# Altium PCB Graviton-EC2.PcbDoc (part 11 of 12)
Units mil, origin at the board's own origin, x right, y up, seen from the top; angles counter-clockwise.
Board outline 7874.02 x 7874.02 mil, 10 copper layers (Top Layer, Internal Plane 1, Signal Layer 1, Internal Plane 2, Signal Layer 2, Signal Layer 3, Internal Plane 3, Signal Layer 4, Internal Plane 4, Bottom Layer), stack 65.914 mil thick; 1307 components, 1540 nets, 8037 pads, 1837 vias.
Unrouted connection lines stored in the file: 117.
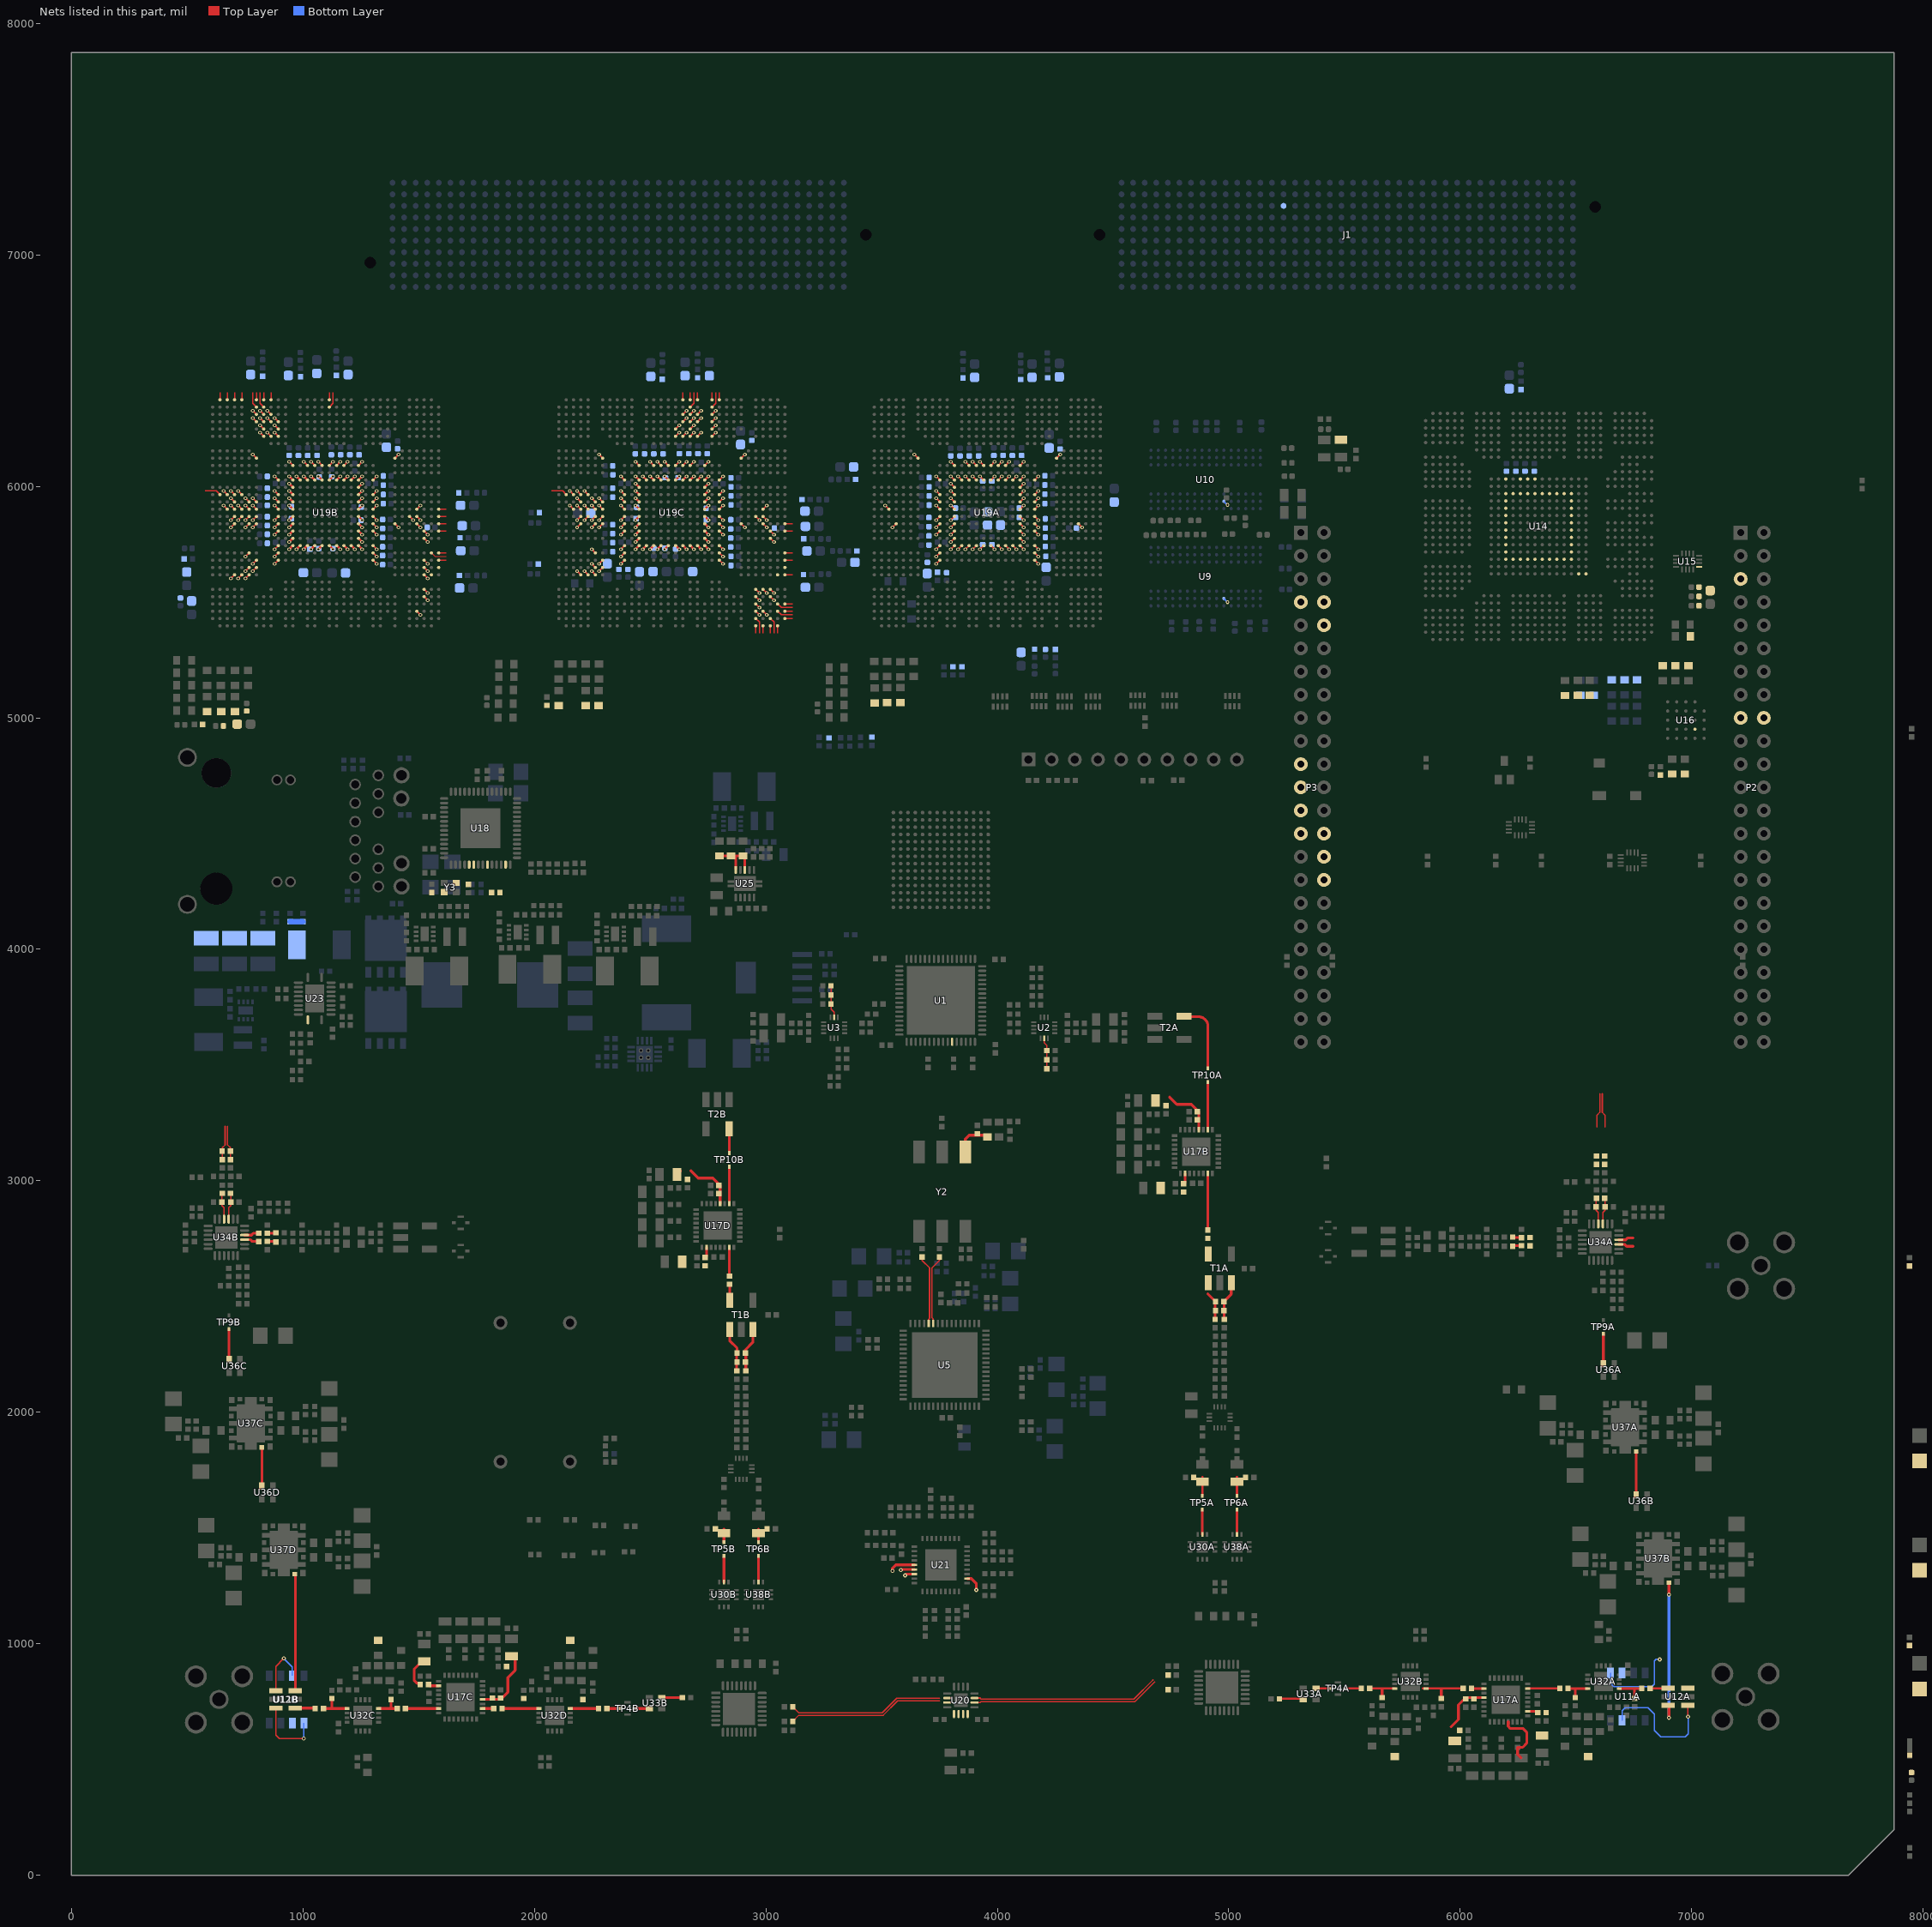
[diagram p19: the nets of this part, all layers, seen from the top]

## Via types
v1: diameter 16, hole 8, Top Layer to Bottom Layer, 1443 vias
v2: diameter 16, hole 8, Top Layer to Bottom Layer, tented top, 173 vias
v3: diameter 18, hole 8, Top Layer to Bottom Layer, 132 vias
v4: diameter 25.98, hole 8, Top Layer to Bottom Layer, tented top, 36 vias
v5: diameter 25.98, hole 12, Top Layer to Bottom Layer, tented top, 36 vias
v6: diameter 23.62, hole 11.81, Top Layer to Bottom Layer, 10 vias
v7: diameter 18, hole 8, Top Layer to Bottom Layer, tented bottom, 5 vias
v8: diameter 16, hole 8, Top Layer to Bottom Layer, tented both sides, 2 vias

## Nets (pads, with @x,y where several pads share a name; then routed paths per layer and width w, separated by ;. In a path a pad name is that pad's centre, name@x,y a point inside that pad or via, vN(x,y) a via of type N, cw(c..) or ccw(c..) an arc to the next point about the centre after c; other vN are vias at no path point) (continued)
RAMCLKB_P: U19B.AD32
RAMCLKC_N: U19C.AE32 | length 32.1
  Top Layer w4.72: U19C.AE32@3082.68,5618.11 3114.76,5618.11
RAMCLKC_P: U19C.AD32
RC-AA: C170A.1 L46A.2 U32A.1 | length 143.7
  Top Layer w11.81: U32A.1@6687.01,807.09 C170A.1@6788.78,807.09 ; L46A.2@6752.95,763.98 6752.95,805.91
RC-AB: C170B.1 L46C.2 U32C.1 | length 140.6
  Top Layer w10: 5852.36,807.09 5852.56,807.28
  Top Layer w11.81: C170B.1@1092.72,720.47 U32C.1@1190.94,720.47 ; 1125,721.46 L46C.2@1125,763.58
RC-BA: C394A.2 L47A.2 U32A.12 | length 125
  Top Layer w11.81: C394A.2@6465.75,807.09 6496.06,807.09 ; L47A.2@6497.05,767.91 6497.05,806.1 6496.06,807.09 ; U32A.12@6551.18,807.09 6496.06,807.09
RC-BB: C394B.2 L47C.2 U32C.12 | length 117.7
  Top Layer w11.81: U32C.12@1326.77,720.47 C394B.2@1407.28,720.47 ; 1380.91,722.44 L47C.2@1380.91,759.65
RC-CA: C394A.1 U17A.7 | length 138.6
  Top Layer w10: U17A.7@6291.34,807.09 C394A.1@6429.92,807.09
RC-CB: C394B.1 U17C.7 | length 143.5
  Top Layer w11.81: C394B.1@1443.11,720.47 U17C.7@1586.61,720.47
RC-DA: C395A.2 U17A.18 | length 307.3
  Top Layer w11.81: C395A.2@6053.35,807.09 U17A.18@6102.36,807.09 ; 6206.69,663.39 6206.69,643.85 6216.69,633.86 6271.65,633.86 6287.4,618.11 6287.4,570.87 6269.49,552.95 6248.03,552.95 6248.03,521.85 6263.78,506.1
RC-DB: C395B.2 U17C.18 | length 49
  Top Layer w11.81: U17C.18@1775.59,720.47 C395B.2@1824.61,720.47
RC-EA: C395A.1 L46B.2 U32B.1 | length 216.1
  Top Layer w10: 5838.58,807.09 C395A.1@6012.6,807.09
  Top Layer w11.81: L46B.2@5918.31,763.98 5918.31,806.1
RC-EB: C395B.1 L46D.2 U32D.1 | length 162
  Top Layer w11.81: C395B.1@1862.4,722.44 C395B.1@1860.43,720.47 U32D.1@2019.69,720.47
RC-FA: C396A.2 L47B.2 U32B.12 | length 147
  Top Layer w10: C396A.2@5609.45,807.09 U32B.12@5716.54,807.09 U32B.12@5718.31,807.09
  Top Layer w11.81: L47B.2@5662.4,767.91 5662.4,806.1
RC-FB: C396B.2 L47D.2 U32D.12 | length 121.9
  Top Layer w11.81: U32D.12@2155.51,720.47 C396B.2@2277.36,720.47
RC-GA: C396A.1 TP4A.C | length 57.9
  Top Layer w10: 5514.76,807.09 C396A.1@5572.64,807.09
RC-GB: C396B.1 TP4B.C | length 58.9
  Top Layer w11.81: C396B.1@2313.19,720.47 TP4B.C@2372.05,720.47
RC-HA: TP4A.A U33A.3 | length 65
  Top Layer w10: U33A.3@5376.97,807.09 TP4A.A@5441.93,807.09
RC-HB: TP4B.A U33B.3 | length 61
  Top Layer w11.81: TP4B.A@2431.1,720.47 U33B.3@2492.13,720.47
RC-JA: C430A.1 U33A.1 | length 112.4
  Top Layer w10: C430A.1@5219.29,762.8 U33A.1@5331.69,762.8
RC-JB: C430B.1 U33B.1 | length 86.6
  Top Layer w11.81: U33B.1@2551.18,767.72 C430B.1@2637.8,767.72
RC-KA_N: TP6A.C U38A.2 | length 107.9
  Top Layer w11.81: U38A.2@5035.43,1472.44 TP6A.C@5035.43,1580.32
RC-KA_P: TP5A.C U30A.2 | length 107.9
  Top Layer w11.81: U30A.2@4885.83,1472.44 TP5A.C@4885.83,1580.32
RC-KB_N: TP6B.C U38B.2 | length 107.9
  Top Layer w11.81: U38B.2@2968.5,1266.14 TP6B.C@2968.5,1374.02
RC-KB_P: TP5B.C U30B.2 | length 107.9
  Top Layer w11.81: U30B.2@2818.9,1266.14 TP5B.C@2818.9,1374.02
RC-LA_N: C154A.2 R174A.1 TP6A.A | length 79.5
  Top Layer w10: TP6A.A@5035.43,1641.54 5035.43,1721.06
RC-LA_P: C84A.2 R175A.1 TP5A.A | length 79.5
  Top Layer w10: TP5A.A@4885.83,1641.54 4885.83,1721.06
RC-LB_N: C154B.2 R174B.1 TP6B.A | length 57.1
  Top Layer w11.81: TP6B.A@2968.5,1438.98 C154B.2@2968.5,1496.06
RC-LB_P: C84B.2 R175B.1 TP5B.A | length 57.1
  Top Layer w11.81: TP5B.A@2818.9,1438.98 C84B.2@2818.9,1496.06
RC-MA_P: C431A.2 L54A.1 R146A.2 T1A.3 | length 126.2
  Top Layer w11.81: 4909.45,2511.42 R146A.2@4942.72,2478.15 R146A.2@4942.72,2482.48 ; L54A.1@4940.94,2401.57 R146A.2@4940.94,2476.38
RC-MB_P: C431B.2 L54B.1 R146B.2 T1B.3 | length 190.8
  Top Layer w11.81: T1B.3@2843.7,2358.66 2843.7,2309.84 2875.79,2277.76 R146B.2@2875.79,2255.91 ; L54B.1@2874.02,2179.33 R146B.2@2874.02,2254.13
RC-NA: C397A.2 T1A.4
RC-NA_P: C431A.1 L56A.1 R146A.1 T1A.1 | length 169.4
  Top Layer w11.81: R146A.1@4978.54,2478.15 5010.63,2510.24 T1A.1@5010.63,2559.45 ; L56A.1@4980.32,2401.57 R146A.1@4980.32,2476.38
RC-NB: C397B.2 T1B.4 | length 67.9
  Top Layer w11.81: T1B.4@2843.7,2483.86 C397B.2@2843.7,2551.77
RC-NB_P: C431B.1 L56B.1 R146B.1 T1B.1 | length 190.8
  Top Layer w11.81: R146B.1@2911.61,2255.91 2911.61,2269.88 2943.7,2301.97 T1B.1@2943.7,2358.66 ; L56B.1@2913.39,2179.33 R146B.1@2913.39,2254.13
RC-PA: C397A.1 U17B.7 | length 241.9
  Top Layer w11.81: C397A.1@4909.45,2789.57 U17B.7@4909.45,3031.5
RC-PB: C397B.1 U17D.7 | length 124
  Top Layer w10: U17D.7@2842.13,2712.6 2842.52,2712.2 C397B.1@2842.52,2588.78
RC-QA: TP10A.C U17B.18 | length 208.5
  Top Layer w11.81: U17B.18@4909.45,3220.47 TP10A.C@4909.45,3428.94
RC-QB: TP10B.C U17D.18 | length 159.6
  Top Layer w10: U17D.18@2842.13,2901.57 2842.52,2901.97 TP10B.C@2842.52,3061.02
RC-RA: T2A.4 TP10A.A | length 309.9
  Top Layer w11.81: T2A.4@4806.69,3711.42 ccw(c4809.45,3711.42) 4809.45,3708.66 4870.08,3708.66 cw(c4870.08,3669.29) 4909.45,3669.29 TP10A.A@4909.45,3486.22
RC-RB: T2B.4 TP10B.A | length 103.5
  Top Layer w11.81: TP10B.A@2842.52,3120.08 T2B.4@2842.52,3223.62
REGCAP1: C210.1 U18.37
REGCAP2: C210.2 U18.41
RFRX-INA: C170A.2 U12A.1 | length 76.6
  Top Layer w10: C170A.2@6820.08,807.09 U12A.1@6896.65,807.09
RFRX-INB: C170B.2 U12B.1 | length 87.4
  Top Layer w11.81: U12B.1@963.58,722.44 C170B.2@1050.98,722.44
RFTXOUTA: U12A.3 U37B.16 | length 641.2
  Top Layer w11.81: U12A.3@6898.62,734.25 6901.57,731.3 v3(6901.57,681.1) ; v3(6901.57,1212.6) U37B.16@6901.57,1263.78 U37B.16@6904.53,1260.83
  Bottom Layer w11.81: v3(6901.57,681.1) v3(6901.57,1212.6)
RFTXOUTB: U12B.3 U37D.16 | length 505.2
  Top Layer w11.81: U37D.16@964.57,1301.18 967.52,1298.23 U12B.3@967.52,797.24
RX2-BANK3-DDRCTRL.CASN: U19B.W30 | length 22.3
  Top Layer w5: U19B.W30@1523.62,5807.09 v1(1539.37,5791.34)
RX2-BANK3-DDRCTRL.CKE: U19B.U28 | length 22.3
  Top Layer w5: U19B.U28@1460.63,5870.08 v1(1476.38,5854.33)
RX2-BANK3-DDRCTRL.CLK_N: U19B.AC32 | length 32.1
  Top Layer w4.72: U19B.AC32@1586.61,5681.1 1618.7,5681.1
RX2-BANK3-DDRCTRL.CLK_P: U19B.AB32 | length 32.1
  Top Layer w4.72: U19B.AB32@1586.61,5712.6 1618.7,5712.6
RX2-BANK3-DDRCTRL.CSN: U19B.U29 | length 22.3
  Top Layer w5: U19B.U29@1492.13,5870.08 v1(1507.87,5854.33)
RX2-BANK3-DDRCTRL.ODT: U19B.V26 | length 22.3
  Top Layer w5: U19B.V26@1397.64,5838.58 v1(1413.39,5822.83)
RX2-BANK3-DDRCTRL.RASN: U19B.Y30 | length 22.3
  Top Layer w5: U19B.Y30@1523.62,5775.59 v1(1539.37,5759.84)
RX2-BANK3-DDRCTRL.RSTN: U19B.T29 | length 22.3
  Top Layer w5: U19B.T29@1492.13,5901.57 v1(1507.87,5917.32)
RX2-BANK3-DDRCTRL.WEN: U19B.AE31
RX2-BANK3-DQ32.DQ6_G3: U19B.AD30 | length 22.3
  Top Layer w5: U19B.AD30@1523.62,5649.61 v1(1539.37,5633.86)
RX2-BANK3-DQ32.DQ7_G3: U19B.AE30 | length 22.3
  Top Layer w5: U19B.AE30@1523.62,5618.11 v1(1539.37,5602.36)
RX2-BANK3-DQS32.DQM0: U19B.T32 | length 32.1
  Top Layer w4.72: U19B.T32@1586.61,5901.57 1618.7,5901.57
RX2-BANK3-DQS32.DQM1: U19B.U32 | length 32.1
  Top Layer w4.72: U19B.U32@1586.61,5870.08 1618.7,5870.08
RX2-BANK3-DQS32.DQM2: U19B.V32 | length 32.1
  Top Layer w4.72: U19B.V32@1586.61,5838.58 1618.7,5838.58
RX2-BANK3-DQS32.DQM3: U19B.W32 | length 32.1
  Top Layer w4.72: U19B.W32@1586.61,5807.09 1618.7,5807.09
RX2-BANK3-DQS32.DQS3_N: U19B.AB31 | length 70.1
  Top Layer w2.99: U19B.AB31@1555.12,5712.6 1570.87,5696.85 1618.7,5696.85
RX2-BANK3-DQS32.DQS3_P: U19B.AC30 | length 22.3
  Top Layer w2.99: U19B.AC30@1523.62,5681.1 v1(1539.37,5665.35)
RX2-BANK4-DB3.B0: U19B.AH30 | length 22.3
  Top Layer w5: U19B.AH30@1523.62,5523.62 v1(1539.37,5507.87)
RX2-BANK4-DB3.B1: U19B.AG30 | length 22.3
  Top Layer w5: U19B.AG30@1523.62,5555.12 v1(1539.37,5539.37)
RX2-BANK4-DB3.B2: U19B.AK29 | length 22.3
  Top Layer w5: U19B.AK29@1492.13,5460.63 v1(1507.87,5444.88)
RX2-DDRCC6.S0: U19B.P5 | length 22.3
  Top Layer w5: v1(720.47,5980.32) U19B.P5@736.22,5964.57
RX2-DDRCC6.S1: U19B.P4 | length 22.3
  Top Layer w5: v1(688.98,5980.32) U19B.P4@704.72,5964.57
RX2-DDRCC6.S2: U19B.R7 | length 22.3
  Top Layer w5: v1(783.46,5948.82) U19B.R7@799.21,5933.07
RX2-DDRCC6.S3: U19B.T7 | length 22.3
  Top Layer w5: v1(783.46,5917.32) U19B.T7@799.21,5901.57
RX2-DDRCC6.S4: U19B.R6 | length 22.3
  Top Layer w5: v1(751.97,5948.82) U19B.R6@767.72,5933.07
RX2-DDRCC6.S5: U19B.T6 | length 22.3
  Top Layer w5: v1(751.97,5917.32) U19B.T6@767.72,5901.57
RX2-DDRCC6.S6: U19B.U6 | length 22.3
  Top Layer w5: v1(751.97,5854.33) U19B.U6@767.72,5870.08
RX2-DDRCC6.S7: U19B.U7 | length 22.3
  Top Layer w5: v1(783.46,5854.33) U19B.U7@799.21,5870.08
RX2-DDRCC6.S8: U19B.R4 | length 22.3
  Top Layer w5: v1(688.98,5948.82) U19B.R4@704.72,5933.07
RX2-DDRCC6.S9: U19B.T5 | length 22.3
  Top Layer w5: v1(720.47,5917.32) U19B.T5@736.22,5901.57
RX2-DDRCC6.S10: U19B.T4 | length 22.3
  Top Layer w5: v1(688.98,5917.32) U19B.T4@704.72,5901.57
RX2-DDRCC6.S11: U19B.U5 | length 22.3
  Top Layer w5: v1(720.47,5854.33) U19B.U5@736.22,5870.08
RX2-DDRCC6.S12: U19B.U4 | length 22.3
  Top Layer w5: v1(688.98,5854.33) U19B.U4@704.72,5870.08
RX2-DDRCC6.S13: U19B.V6 | length 22.3
  Top Layer w5: v1(751.97,5822.83) U19B.V6@767.72,5838.58
RX2-DDRCC6.S14: U19B.V7 | length 22.3
  Top Layer w5: v1(783.46,5822.83) U19B.V7@799.21,5838.58
RX2-DDRCC6.S15: U19B.P2 | length 70.1
  Top Layer w4.72: 578.15,5980.32 625.98,5980.32 U19B.P2@641.73,5964.57
RX2-DDRCC6.S16: U19B.P3 | length 22.3
  Top Layer w5: v1(657.48,5980.32) U19B.P3@673.23,5964.57
RX2-DDRCC6.S40: U19B.AB6 | length 22.3
  Top Layer w5: v1(751.97,5696.85) U19B.AB6@767.72,5712.6
RX2-DDRCC6.S41: U19B.AC7 | length 22.3
  Top Layer w5: v1(783.46,5665.35) U19B.AC7@799.21,5681.1
RX2-DDRCC6.S42: U19B.AD7 | length 22.3
  Top Layer w5: v1(783.46,5633.86) U19B.AD7@799.21,5649.61
RX2-DDRCC6.S43: U19B.AD6 | length 22.3
  Top Layer w5: v1(751.97,5633.86) U19B.AD6@767.72,5649.61
RX2-DDRCC6.S44: U19B.AE6 | length 22.3
  Top Layer w5: v1(751.97,5602.36) U19B.AE6@767.72,5618.11
RX2-DDRCC6.S45: U19B.AE5 | length 22.3
  Top Layer w5: v1(720.47,5602.36) U19B.AE5@736.22,5618.11
RX2-DDRCC6.S46: U19B.AE4 | length 22.3
  Top Layer w5: v1(688.98,5602.36) U19B.AE4@704.72,5618.11
RX-SWA: R182A.1 U11A.1 U12A.6 | length 369.2
  Bottom Layer w4.72: U11A.1@6649.41,874.15 6649.41,830.91 6665.35,814.96 6826.77,814.96 6838.58,826.77 6838.58,925.2 6846.46,933.07 v3(6862.2,933.07)
RX-SWB: R182B.1 U11B.1 U12B.6 | length 310.9
  Top Layer w4.72: U12B.6@882.87,722.44 882.87,605.32 897.64,590.55 v3(1003.94,590.55)
  Bottom Layer w4.72: v3(1003.94,590.55) U11B.1@1003.94,657.15
RXLO0_N: C427A.1 R192.1 U20.9
RXLO0_P: C428A.2 R191.1 U20.10
RXLO1_N: C427B.1 R194.1 U20.6 | length 671.3
  Top Layer w5.98: C427B.1@3116.34,665.35 3142.34,691.36 3507.09,691.36 3569.67,753.94 3750.98,753.94
RXLO1_P: C428B.2 R193.1 U20.7 | length 671.3
  Top Layer w5.98: C428B.2@3116.34,728.35 3142.34,702.34 3502.54,702.34 3565.12,764.92 3750.98,764.92
SDRCC0.S0B: U19B.A17 | length 32.1
  Top Layer w4.72: U19B.A17@1114.17,6374.02 1114.17,6406.1
SDRCC0.S1B: U19B.B17 | length 70.1
  Top Layer w4.72: U19B.B17@1114.17,6342.52 1129.92,6358.27 1129.92,6406.1
SDRCC0.S2B: U19B.A2 | length 32.1
  Top Layer w4.72: U19B.A2@641.73,6374.02 641.73,6406.1
SDRCC0.S3B: U19B.A3 | length 32.1
  Top Layer w4.72: U19B.A3@673.23,6374.02 673.23,6406.1
SDRCC0.S4B: U19B.A4 | length 32.1
  Top Layer w4.72: U19B.A4@704.72,6374.02 704.72,6406.1
SDRCC0.S5B: U19B.A5 | length 32.1
  Top Layer w4.72: U19B.A5@736.22,6374.02 736.22,6406.1
SDRCC0.S6B: U19B.D7 | length 22.3
  Top Layer w5: v1(783.46,6295.28) U19B.D7@799.21,6279.53
SDRCC0.S7B: U19B.C7 | length 22.3
  Top Layer w5: v1(783.46,6326.77) U19B.C7@799.21,6311.02
SDRCC0.S8B: U19B.B7 | length 70.1
  Top Layer w4.72: 783.46,6406.1 783.46,6358.27 U19B.B7@799.21,6342.52
SDRCC0.S9B: U19B.A7 | length 32.1
  Top Layer w4.72: U19B.A7@799.21,6374.02 799.21,6406.1
SDRCC0.S10B: U19B.F8 | length 22.3
  Top Layer w5: v1(814.96,6232.28) U19B.F8@830.71,6216.54
SDRCC0.S11B: U19B.E8 | length 22.3
  Top Layer w5: v1(814.96,6263.78) U19B.E8@830.71,6248.03
SDRCC0.S12B: U19B.D8 | length 22.3
  Top Layer w5: v1(814.96,6295.28) U19B.D8@830.71,6279.53
SDRCC0.S13B: U19B.C8 | length 22.3
  Top Layer w5: v1(814.96,6326.77) U19B.C8@830.71,6311.02
SDRCC0.S14B: U19B.B8 | length 70.1
  Top Layer w4.72: 814.96,6406.1 814.96,6358.27 U19B.B8@830.71,6342.52
SDRCC0.S15B: U19B.A8 | length 32.1
  Top Layer w4.72: U19B.A8@830.71,6374.02 830.71,6406.1
SDRCC0.S16B: U19B.F9 | length 22.3
  Top Layer w5: v1(846.46,6232.28) U19B.F9@862.2,6216.54
SDRCC0.S17B: U19B.D9 | length 22.3
  Top Layer w5: v1(846.46,6295.28) U19B.D9@862.2,6279.53
SDRCC0.S18B: U19B.C9 | length 22.3
  Top Layer w5: v1(846.46,6326.77) U19B.C9@862.2,6311.02
SDRCC0.S19B: U19B.A9 | length 32.1
  Top Layer w4.72: U19B.A9@862.2,6374.02 862.2,6406.1
SDRCC0.S20B: U19B.F10 | length 22.3
  Top Layer w5: v1(877.95,6232.28) U19B.F10@893.7,6216.54
SDRCC0.S21B: U19B.E10 | length 22.3
  Top Layer w5: v1(877.95,6263.78) U19B.E10@893.7,6248.03
SDRCC0.S22B: U19B.D10 | length 22.3
  Top Layer w5: v1(877.95,6295.28) U19B.D10@893.7,6279.53
SDRCC1.S0C: U19C.E17 | length 22.3
  Top Layer w5: U19C.E17@2610.24,6248.03 v1(2625.98,6263.78)
SDRCC1.S1C: U19C.F17 | length 22.3
  Top Layer w5: U19C.F17@2610.24,6216.54 v1(2625.98,6232.28)
SDRCC1.S2C: U19C.A18 | length 32.1
  Top Layer w4.72: U19C.A18@2641.73,6374.02 2641.73,6406.1
SDRCC1.S3C: U19C.C18 | length 22.3
  Top Layer w5: U19C.C18@2641.73,6311.02 v1(2657.48,6326.77)
SDRCC1.S4C: U19C.D18 | length 22.3
  Top Layer w5: U19C.D18@2641.73,6279.53 v1(2657.48,6295.28)
SDRCC1.S5C: U19C.F18 | length 22.3
  Top Layer w5: U19C.F18@2641.73,6216.54 v1(2657.48,6232.28)
SDRCC1.S6C: U19C.A19 | length 32.1
  Top Layer w4.72: U19C.A19@2673.23,6374.02 2673.23,6406.1
SDRCC1.S7C: U19C.B19 | length 70.1
  Top Layer w4.72: U19C.B19@2673.23,6342.52 2688.98,6358.27 2688.98,6406.1
SDRCC1.S8C: U19C.C19 | length 22.3
  Top Layer w5: U19C.C19@2673.23,6311.02 v1(2688.98,6326.77)
SDRCC1.S9C: U19C.D19 | length 22.3
  Top Layer w5: U19C.D19@2673.23,6279.53 v1(2688.98,6295.28)
SDRCC1.S10C: U19C.E19 | length 22.3
  Top Layer w5: U19C.E19@2673.23,6248.03 v1(2688.98,6263.78)
SDRCC1.S11C: U19C.F19 | length 22.3
  Top Layer w5: U19C.F19@2673.23,6216.54 v1(2688.98,6232.28)
SDRCC1.S12C: U19C.A20 | length 32.1
  Top Layer w4.72: U19C.A20@2704.72,6374.02 2704.72,6406.1
SDRCC1.S13C: U19C.C20 | length 22.3
  Top Layer w5: U19C.C20@2704.72,6311.02 v1(2720.47,6326.77)
SDRCC1.S14C: U19C.D20 | length 22.3
  Top Layer w5: U19C.D20@2704.72,6279.53 v1(2720.47,6295.28)
SDRCC1.S15C: U19C.F20 | length 22.3
  Top Layer w5: U19C.F20@2704.72,6216.54 v1(2720.47,6232.28)
SDRCC1.S16C: U19C.A22 | length 32.1
  Top Layer w4.72: U19C.A22@2767.72,6374.02 2767.72,6406.1
SDRCC1.S17C: U19C.B22 | length 70.1
  Top Layer w4.72: U19C.B22@2767.72,6342.52 2783.46,6358.27 2783.46,6406.1
SDRCC1.S18C: U19C.C22 | length 22.3
  Top Layer w5: U19C.C22@2767.72,6311.02 v1(2783.46,6326.77)
SDRCC1.S19C: U19C.D22 | length 22.3
  Top Layer w5: U19C.D22@2767.72,6279.53 v1(2783.46,6295.28)
SDRCC1.S20C: U19C.E22 | length 22.3
  Top Layer w5: U19C.E22@2767.72,6248.03 v1(2783.46,6263.78)
SDRCC1.S21C: U19C.F22 | length 22.3
  Top Layer w5: U19C.F22@2767.72,6216.54 v1(2783.46,6232.28)
SDRCC1.S22C: U19C.A23 | length 32.1
  Top Layer w4.72: U19C.A23@2799.21,6374.02 2799.21,6406.1
SPI1_CS0: P3.28
SPI1_D1: P3.30
SYNTH-CTRL.CE: P3.21 U21.11 | length 76
  Top Layer w11.81: U21.11@3870.08,1281.69 3887.6,1281.69 3909.45,1259.84 v3(3909.45,1232.28)
SYNTH-CTRL.CLK: P3.23 U21.33 | length 56.9
  Top Layer w11.81: v3@3584.84,1321.06 U21.33@3641.73,1321.06
  other v3: 3582.68,1318.9
SYNTH-CTRL.DATA: P3.25 U21.32 | length 112.1
  Top Layer w11.81: v3(3547.24,1314.96) 3547.24,1326.77 3561.22,1340.75 U21.32@3641.73,1340.75
SYNTH-CTRL.LE: P3.27 U21.34 | length 41.9
  Top Layer w11.81: v3(3602.36,1295.28) 3608.46,1301.38 U21.34@3641.73,1301.38
SYS_5V: P3.7 P3.8
SYS_RESETN: P3.10
TPSVDD: C345.1 R94.2 U23.10
TRANSMIT: J1.253 P2.5 R185A.2 R185B.2 U11A.2 U11B.2 U19A.T3 U19B.T3 U19C.T3 | length 66.8
  Top Layer w5: v1(657.48,5917.32) U19B.T3@673.23,5901.57 ; v1(2153.54,5917.32) U19C.T3@2169.29,5901.57 ; v1(3515.75,5917.32) U19A.T3@3531.5,5901.57
TX2-BANK3-DDRCTRL.CASN: U19C.W30 | length 22.3
  Top Layer w5: U19C.W30@3019.69,5807.09 v1(3035.43,5791.34)
TX2-BANK3-DDRCTRL.CKE: U19C.U28 | length 22.3
  Top Layer w5: U19C.U28@2956.69,5870.08 v1(2972.44,5854.33)
TX2-BANK3-DDRCTRL.CLK_N: U19C.AC32 | length 32.1
  Top Layer w4.72: U19C.AC32@3082.68,5681.1 3114.76,5681.1
TX2-BANK3-DDRCTRL.CLK_P: U19C.AB32 | length 32.1
  Top Layer w4.72: U19C.AB32@3082.68,5712.6 3114.76,5712.6
TX2-BANK3-DDRCTRL.CSN: U19C.U29 | length 22.3
  Top Layer w5: U19C.U29@2988.19,5870.08 v1(3003.94,5854.33)
TX2-BANK3-DDRCTRL.ODT: U19C.V26 | length 22.3
  Top Layer w5: U19C.V26@2893.7,5838.58 v1(2909.45,5822.83)
TX2-BANK3-DDRCTRL.RASN: U19C.Y30 | length 22.3
  Top Layer w5: U19C.Y30@3019.69,5775.59 v1(3035.43,5759.84)
TX2-BANK3-DDRCTRL.RSTN: U19C.T29 | length 22.3
  Top Layer w5: U19C.T29@2988.19,5901.57 v1(3003.94,5917.32)
TX2-BANK3-DDRCTRL.WEN: U19C.AE31
TX2-BANK3-DQS32.DQM2: U19C.V32 | length 32.1
  Top Layer w4.72: U19C.V32@3082.68,5838.58 3114.76,5838.58
TX2-BANK3-DQS32.DQM3: U19C.W32 | length 32.1
  Top Layer w4.72: U19C.W32@3082.68,5807.09 3114.76,5807.09